# Altium PCB cat.PcbDoc (part 2 of 3) (continued)
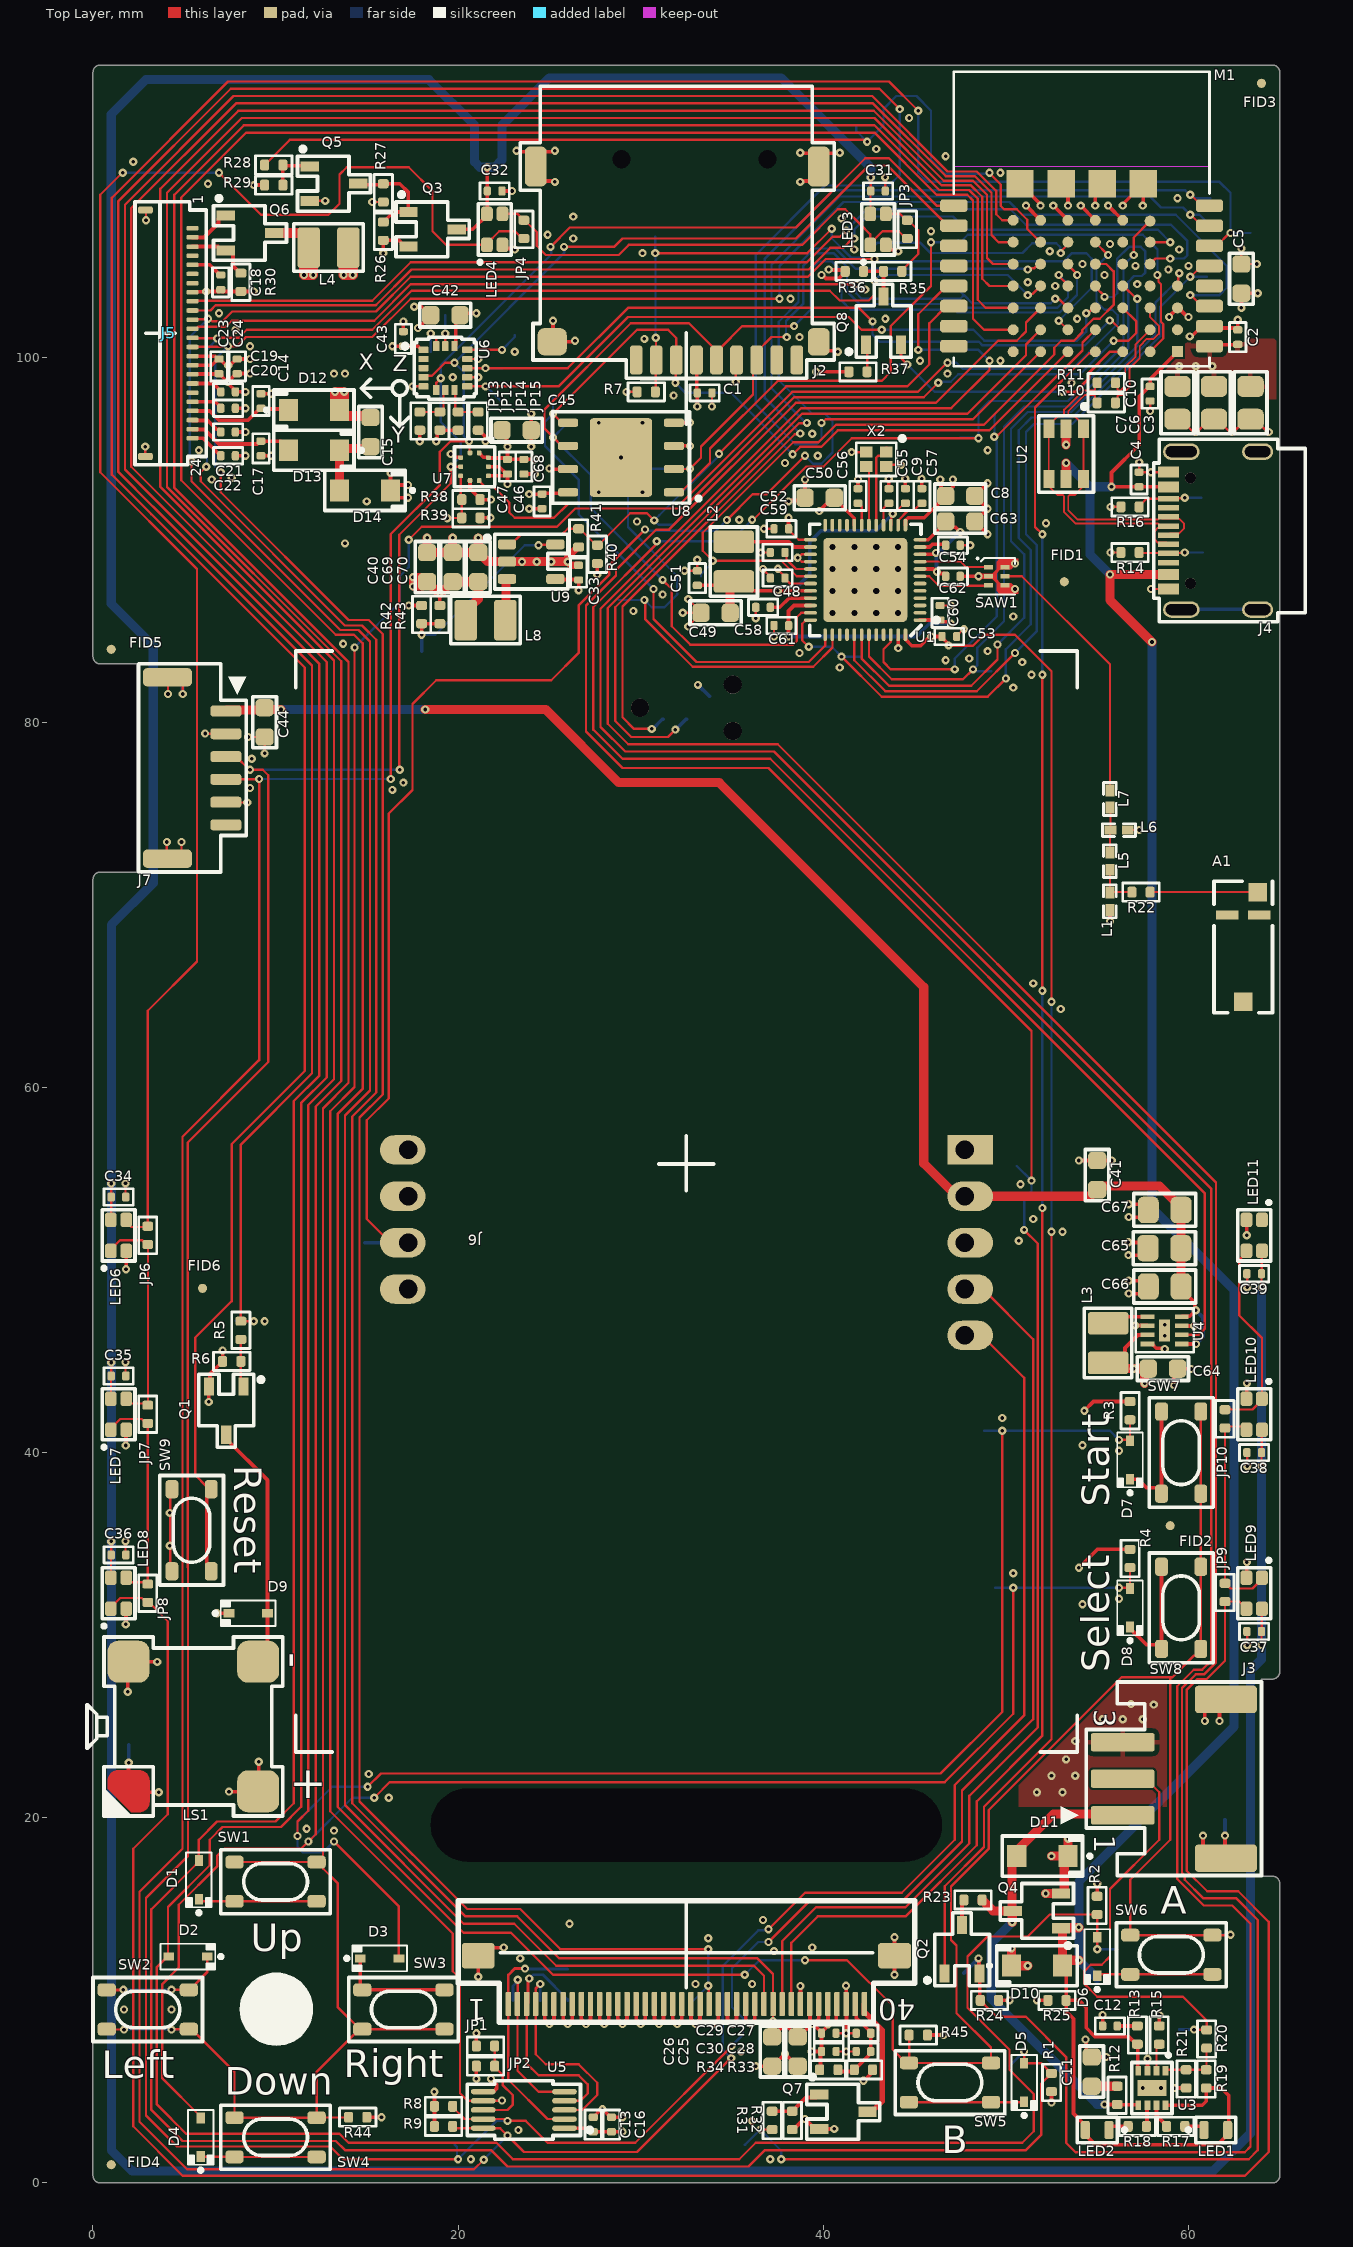
[diagram p0: Top Layer view]
## Nets (pads, with @x,y where several pads share a name; then routed paths per layer and width w, separated by ;. In a path a pad name is that pad's centre, name@x,y a point inside that pad or via, vN(x,y) a via of type N, cw(c..) or ccw(c..) an arc to the next point about the centre after c; other vN are vias at no path point) (continued)
BACKLIGHT_CATHODE: J6.40 Q7.3 | length 6.7
  Top Layer w0.3: J6.40@42.25,9.8 42.25,9.3 42.3,9.3 43.227,8.373 43.227,4.463 42.789,4.025 42.775,4.025 42.564,3.814 Q7.3@42.564,3.8
BARO_INT/RDY: M1.C1 TP31.1 U7.7 | length 46.6
  Top Layer w0.127: U7.7@21.125,93.265 U7.7@21.15,93.24 21.15,93.227 21.478,92.9 21.932,92.9 22.8,92.032 22.8,91.5 23.1,91.2 25.25,91.2 26.013,91.963 32.163,91.963 38.3,98.1 45.176,98.1 46.776,99.7 v1(46.8,99.7) ; M1.C1@54.9,106.3 v1(55.6,105.6)
  Bottom Layer w0.127: v1(46.8,99.7) 47.3,99.7 47.646,99.354 52.2,99.354 53.654,99.354 56.129,101.829 56.129,102.296 55.826,102.6 55.4,102.6 54.959,103.041 54.959,104.959 v1(55.6,105.6)
BATT_NTC: J3.2 R20.1 TP4.1 | length 24.5
  Top Layer w0.127: J3.2@56.3,22.2 57.595,22.2 58.4,21.395 58.4,18.8 55.7,16.1 55.7,12.4 55.25,11.95 54.65,11.95 54.3,11.6 54.3,10.9 55,10.2 59.7,10.2 61,8.9 R20.1@61,8.386
  Top Layer w0.152: v1(60.3,8.4) 60.307,8.393 60.993,8.393 R20.1@61,8.386
  Bottom Layer w0.152: TP4.1@59.5,8.4 v1(60.3,8.4)
BATT_SENSE: M1.5 Q2.2 R24.2 TP34.1 | length 167
  Top Layer w0.127: v1(45.2,100.4) 45.2,102.349 46.75,103.899 M1.5@47.15,103.899 ; R24.2@48.6,10 48.6,9.983 48.82,9.764 48.836,9.764 49.5,9.1 51.1,9.1 53.3,6.9 53.3,2.2 53.818,1.682 63.082,1.682 63.4,2 63.4,14.2 62.4,15.2 60.841,15.2 59.392,16.649 59.392,27.21 60.291,28.109 60.75,28.109 61.255,28.615 61.255,54.445 37.3,78.4 29.152,78.4 27.8,79.752 27.8,86.222 38.778,97.2 47,97.2 49.1,99.3 v1(49.1,99.8)
  Top Layer w0.203: v1(48.5,12.3) 48.525,12.275 48.525,11.5 Q2.2@48.55,11.475 48.575,11.45 48.575,10.025 R24.2@48.6,10
  Bottom Layer w0.127: v1(45.2,100.4) 48.5,100.4 v1(49.1,99.8)
  Bottom Layer w0.203: TP34.1@47.7,11.5 v1(48.5,12.3)
BUCK_ENABLE: M1.6 R40.1 R41.2 TP35.1 U9.1 | length 34.1
  Top Layer w0.127: U9.1@22.675,89.75 22.9,89.75 23.442,90.292 25.692,90.292 26,90.6 R41.2@26.6,90.6 26.662,90.6 27.563,89.7 27.675,89.7 29.43,91.455 30.34,91.455 v1(30.736,91.059) ; v1(34.288,94.712) 37.976,98.4 44.6,98.4 45.8,99.6 45.8,101.849 46.75,102.799 M1.6@47.15,102.799
  Bottom Layer w0.127: v1(30.736,91.059) 30.736,91.052 30.971,90.816 31.816,90.816 TP35.1@32.3,91.3 ; v1@30.779,91.103 31.02,91.344 34.226,94.55 34.226,94.65 v1(34.288,94.712)
CO2_nRDY: M1.A2 M2.7 TP18.1 | length 92
  Top Layer w0.127: M2.7@17.26,51.5 16.3,51.5 15,52.8 15,58.2 16.2,59.4 16.2,75 17.5,76.3 17.5,81 18.8,82.3 25.1,82.3 26.6,83.8 26.6,86.4 28.271,88.071 28.271,88.594 v1(30.238,90.562) ; v1(34.719,91.081) 36.138,92.5 36.9,92.5 v1(39,94.6) ; v1(51.2,104.8) 51.262,104.862 51.534,104.862 51.772,105.1 M1.A2@51.9,105.1
  Bottom Layer w0.127: v1(30.238,90.562) 30.299,90.501 34.139,90.501 34.632,90.994 34.719,90.994 v1(34.719,91.081) ; v1(39,94.6) 39.441,94.159 39.883,94.159 40.5,94.776 40.5,96.5 40.1,96.9 39.4,96.9 37.559,98.741 37.559,101.936 38.641,103.017 38.641,105.093 39.502,105.954 40.663,105.954 41.771,104.846 51.154,104.846 v1(51.2,104.8)
  Bottom Layer w0.203: TP18.1@14.9,51.5 M2.7@17.26,51.5
COEX_GNT: M1.C3 TP29.1 U1.43 | length 42.5
  Top Layer w0.127: U1.43@42.5,84.8 42.5,83.6 43.746,82.354 47.654,82.354 v1(48.2,82.9) ; M1.C3@54.9,103.9 54.9,103.85 55.4,103.35 v1(55.4,103.3)
  Bottom Layer w0.127: v1(48.2,82.9) 48.262,82.9 48.287,82.9 48.387,82.8 TP29.1@49.2,82.8 ; v1@48.244,82.944 48.441,83.141 48.441,84.082 49.9,85.541 49.9,96.176 51.024,97.3 53.522,97.3 56.7,100.478 56.7,104.124 57.017,104.441 57.441,104.441 57.641,104.641 57.641,105.783 57.383,106.041 56.741,106.041 56.1,105.4 56.1,103.5 55.9,103.3 v1(55.4,103.3)
COEX_REQ: M1.D3 TP37.1 U1.42 | length 36.1
  Top Layer w0.127: U1.42@42.1,84.8 42.1,83.5 43.6,82 48.1,82 49.538,83.438 v1(49.538,84.262) ; M1.D3@56.4,103.9 56.45,103.9 57.15,103.2 v1(57.2,103.2)
  Bottom Layer w0.127: v1(49.538,84.262) 51,85.724 51,89.2 50.281,89.919 50.281,96.081 51.2,97 53.582,97 57.2,100.618 v1(57.2,103.2) v1@57.262,103.262
COEX_STATUS: M1.13 TP33.1 U1.41 | length 40.3
  Top Layer w0.127: U1.41@41.7,84.8 41.7,83.4 43.4,81.7 48.4,81.7 v1(50.5,83.8) ; v1(60.1,104.4) 60.125,104.4 60.725,104.999 M1.13@61.15,104.999
  Bottom Layer w0.127: v1(50.5,83.8) 51.7,85 51.7,89.7 51.1,90.3 51.1,95.9 51.538,96.338 53.638,96.338 58.454,101.154 58.454,102.754 v1(60.1,104.4) TP33.1@61,104.4
DISPLAY_DI: J5.14 J6.23 M1.11 TP54.1 | length 178.8
  Top Layer w0.127: J5.14@5.45,100.557 5.471,100.579 7.379,100.579 v1(7.4,100.6) 7.883,100.6 8.383,101.1 15.3,101.1 17.4,103.2 v1(37.6,103.2) ; v1(7,93.7) 7,92.6 14,85.6 15.1,85.6 15.869,84.831 15.869,59.623 14.6,58.354 14.6,20.9 20.5,15 23.4,15 25.6,12.8 v1(33.7,12.8) ; v1(33.7,10.8) 33.725,10.775 33.725,9.825 J6.23@33.75,9.8 ; v1(60.1,103.4) 60.125,103.4 60.725,102.799 M1.11@61.15,102.799
  Bottom Layer w0.127: v1(7,93.7) 6.7,94 6.7,99.9 v1(7.4,100.6) ; TP54.1@32.8,9.9 v1(33.7,10.8) v1(33.7,12.8) ; v1(37.6,103.2) 37.6,105 41.1,108.5 50.2,108.5 50.9,107.8 59.3,107.8 62.1,105 62.1,103.8 61.7,103.4 v1(60.1,103.4)
DISPLAY_RS/CD: J5.11 J6.29 M1.B5 TP56.1 | length 172.5
  Top Layer w0.127: v1(5.4,94.3) 5.4,93.2 13.546,85.054 14.542,85.054 15.169,84.427 15.169,59.841 13.8,58.472 13.8,20.7 20.3,14.2 23.069,14.2 25.369,11.9 36.2,11.9 36.75,11.35 J6.29@36.75,9.8 ; J5.11@5.45,102.057 5.471,102.079 6.279,102.079 v1(6.3,102.1) ; v1(6.3,102.1) 6.388,102.099 6.528,101.959 7.083,101.959 7.624,102.5 15.5,102.5 17.4,104.4 39.159,104.4 40.136,105.377 v1(42.803,105.377) ; v1(52.9,102) M1.B5@53.4,101.5
  Bottom Layer w0.127: TP56.1@5.4,93.2 5.4,94.387 5.3,94.487 5.3,101.1 v1(6.3,102.1) ; v1(42.803,105.377) 42.89,105.377 43.008,105.259 53.183,105.259 53.624,105.7 54.4,105.7 54.705,105.395 54.705,103.805 v1(52.9,102)
DISPLAY_SCK: J5.13 J6.30 M1.A3 TP53.1 | length 165.7
  Top Layer w0.127: J5.13@5.45,101.057 5.469,101.038 6.781,101.038 v1(6.8,101.02) ; v1(6.2,94) 5.9,93.7 5.9,93.2 13.792,85.308 14.728,85.308 15.515,84.521 15.515,59.728 14.2,58.413 14.2,20.8 20.4,14.6 23.234,14.6 25.534,12.3 36.4,12.3 37.25,11.45 J6.30@37.25,9.8 37.246,9.796 37.246,8.856 v1(37.243,8.852) ; v1@6.81,101.01 6.859,101.059 7.983,101.059 8.424,101.5 15.3,101.5 17.441,103.641 40.359,103.641 40.9,103.1 42.488,103.1 42.796,103.408 v1(42.796,104.196) ; v1(51.2,103.4) 51.262,103.462 51.462,103.462 M1.A3@51.9,103.9
  Bottom Layer w0.127: v1(6.2,94) 6.243,94.043 6.243,100.427 6.8,100.984 v1(6.8,101.02) ; TP53.1@37.2,7.8 37.221,7.821 37.221,8.831 v1(37.243,8.852) ; v1(42.796,104.196) 43.1,104.5 50.1,104.5 v1(51.2,103.4)
EPD_B\S\Y\: J5.9 M1.E2 TP44.1 | length 60.3
  Top Layer w0.127: J5.9@5.45,103.057 5.488,103.095 15.295,103.095 17.4,105.2 39.1,105.2 40.5,106.6 40.9,106.6 v1(41.242,106.942) ; M1.E2@57.9,105.1 58.2,105.4 58.3,105.4 v1(59,105.4)
  Bottom Layer w0.127: v1(41.242,106.942) 42.4,108.1 50.241,108.1 50.676,107.665 51.087,107.254 59.046,107.254 59.941,106.359 59.941,105.578 59.763,105.4 v1(59,105.4)
EPD_C\S\: J5.12 M1.B4 TP59.1 | length 50.4
  Top Layer w0.127: J5.12@5.45,101.557 5.65,101.557 5.752,101.659 6.117,101.659 7.259,101.659 7.6,102 15.4,102 17.4,104 40.376,104 40.379,103.997 41.797,103.997 v1(41.8,104) ; v1(52.7,103.2) 52.762,103.138 52.962,103.138 M1.B4@53.4,102.7
  Bottom Layer w0.127: v1(41.8,104) 41.8,103.5 42.1,103.2 47.5,103.2 TP59.1@47.7,103.4 ; TP59.1@47.5,103.6 47.641,103.459 TP59.1@47.7,103.4 ; v1(52.7,103.2) 52.459,102.959 48.141,102.959 TP59.1@47.7,103.4
EPD_R\S\T\: J5.10 M1.E1 TP43.1 | length 57.7
  Top Layer w0.127: J5.10@5.45,102.557 6.434,102.557 6.717,102.841 15.482,102.841 15.511,102.87 17.441,104.8 39.2,104.8 40.386,105.986 41.099,105.986 41.605,106.492 v1(41.692,106.492) ; M1.E1@57.9,106.3 v1(59,106.3)
  Bottom Layer w0.127: v1(41.692,106.492) 41.692,106.554 41.692,106.992 42.4,107.7 43,107.7 47.1,107.7 47.825,106.975 58.326,106.975 v1(59,106.3)
FLASH_C\S\: M1.E6 TP55.1 U8.1 | length 42.3
  Top Layer w0.127: U8.1@31.616,92.6 U8.1@31.82,92.6 32.172,92.6 32.333,92.762 32.362,92.762 33.796,94.196 33.796,94.996 37.5,98.7 43.2,98.7 43.7,99.2 43.7,100.059 43.7,101.7 45.9,103.9 v1(45.9,106.3) ; M1.E6@57.9,100.3 58.622,101.022 58.622,101.821 58.5,101.943 58.5,103.994 58.362,104.132 58.362,104.438 v1(58.3,104.5)
  Bottom Layer w0.127: v1(45.9,106.3) TP55.1@47.4,106.3 ; TP55.1@47.4,106.4 TP55.1@47.4,106.3 ; v1(58.3,104.5) 58.3,105.9 57.5,106.7 47.911,106.7 47.511,106.3 TP55.1@47.4,106.3
GND: C1.1 C2.2 C3.1 C4.2 C5.1 C6.1 C7.1 C8.1 C9.2 C10.1 C11.1 C12.1 C13.1 C14.1 C16.1 C17.1 C18.1 C19.1 C20.1 C21.1 C22.1 C23.1 C24.1 C25.1 C26.1 C27.1 C28.1 C29.1 C30.1 C31.1 C32.1 C33.1 C34.1 C35.1 C36.1 C37.1 C38.1 C39.1 C40.1 C41.1 C42.1 C43.1 C44.1 C45.1 C46.1 C47.1 C48.1 C49.1 C50.1 C51.1 C52.1 C53.1 C54.1 C55.1 C56.1 C57.2 C58.1 C59.1 C60.1 C61.2 C62.2 C63.1 C64.1 C65.1 C66.1 C67.1 C68.1 C69.1 C70.1 D14.K J1.5 J2.6 J2.MP J3.3 J3.MP J4.A1/B12 J4.B1/A12 J4.MP@59.61,86.175 J4.MP@59.61,94.825 J4.MP@63.79,86.175 J4.MP@63.79,94.825 J5.8 J5.17 J5.MP J6.5 J6.6 J6.7 J6.8 J6.9 J6.10 J6.11 J6.12 J6.13 J6.14 J6.15 J6.16 J6.17 J6.18 J6.19 J6.20 J6.21 J6.22 J6.24 J6.25 J6.26 J6.27 J6.28 J6.33 J6.38 J6.MP J7.2 J7.5 J7.MP JP2.2 JP13.2 JP15.2 L1.1 L6.1 LED3.3 LED4.3 LED6.3 LED7.3 LED8.3 LED9.3 LED10.3 LED11.3 LS1.MP M1.10 M1.A0 M1.B0 M1.C0 M1.D0 M1.H0 M1.H1 M1.H2 M1.H3 M2.1 M2.6 Q1.2 Q5.2 Q7.2 R6.2 R7.1 R14.1 R15.1 R16.1 R21.1 R24.1 R25.1 R27.2 R29.2 R30.1 R32.2 R39.2 R41.1 R42.1 R44.1 R45.1 SAW1.2 SAW1.5 SAW1.7 SW9.1 SW9.2 TP9.1 TP19.1 TP27.1 TP32.1 U1.27 U1.28 U1.47 U1.EP U2.2 U3.3 U3.EP U4.2 U4.4 U4.7 U4.EP U5.6 U6.5 U6.10 U6.12 U7.3 U7.8 U7.9 U8.4 U8.EP U9.2 X2.2 X2.4 | length 216.4
  Top Layer w0.119: L6.1@56.675,74.1 v1(57.3,74.1)
  Top Layer w0.127: C36.1@1.785,34.4 v1(1.785,35.148) ; C35.1@1.785,44.2 v1(1.785,44.948) ; C34.1@1.785,54 v1(1.785,54.748) ; v1(2.863,95.102) 2.863,94.57 J5.MP@2.875,94.557 J5.MP@2.888,94.545 ; J5.MP@2.875,108.057 2.9,108.032 v1(2.9,107.5) ; J7.MP@3.248,72.913 J7.MP@3.273,72.888 ; J7.MP@3.288,82.113 J7.MP@3.313,82.088 ; v1(4.048,73.445) 4.048,72.913 J7.MP@4.073,72.888 ; J7.MP@4.088,82.113 4.113,82.088 v1(4.113,81.555) ; SW9.1@4.225,33.5 SW9.2@4.225,38 ; v1(4.848,73.445) 4.848,72.913 J7.MP@4.873,72.888 ; J7.MP@4.888,82.113 4.913,82.088 v1(4.913,81.555) ; v1(6.141,79.388) 6.149,79.38 6.68,79.38 J7.2@6.713,79.413 ; J7.5@7.888,75.588 7.913,75.613 v1(8.445,75.613) ; v1(8.5,79.2) 9.1,79.2 C44.1@9.388,78.913 ; v1(9.4,78.3) 9.4,78.9 C44.1@9.688,79.188 ; Q5.2@12.169,108.534 12.194,108.559 v1(12.727,108.559) ; v1(15.3,108.5) R27.2@15.875,108.5 ; v1(17.5,98.4) U6.5@18.1,98.4 ; U6.10@20.5,98.9 v1(21.1,98.9) ; U6.12@20.5,99.9 v1(21.1,99.9) ; v1(29.225,98.1) R7.1@29.775,98.1 ; v1(32.3,86) C49.1@33.3,86 ; v1@32.401,88.301 C51.1@33.1,88.301 ; v1(32.6,85.25) 32.6,85.263 33.3,85.963 C49.1@33.3,86 ; v1(32.6,86.75) 32.6,86.738 33.3,86.038 C49.1@33.3,86 ; C51.1@33.1,88.301 v1(33.1,88.9) ; v1(33.9,97.3) C1.1@33.9,98.043 ; v1(35.2,98.65) J2.6@35.2,99.2 ; v1(36.3,85.7) C58.1@36.3,86.3 ; v1(36.571,89.295) 36.574,89.297 37.097,89.297 C59.1@37.1,89.3 ; v1(36.7,88.4) 36.7,88.37 37.1,87.97 C48.1@37.1,87.9 ; v1(36.75,90.6) C52.1@37.3,90.6 ; v1(37.3,84.7) C61.2@37.3,85.3 ; v1(38.594,89.012) v1@38.612,89.012 ; U1.28@39.3,88.8 38.825,88.8 v1@38.612,89.012 ; U1.27@39.3,89.2 39.286,89.214 38.83,89.214 38.628,89.012 v1@38.612,89.012 ; C30.1@40.7,7.2 v1(41.25,7.2) C28.1@41.8,7.2 ; C29.1@40.7,8.2 v1(41.25,8.2) C27.1@41.8,8.2 ; v1(41.55,94.8) X2.2@42.1,94.8 ; C31.1@43.385,109.1 v1(43.385,109.848) ; X2.4@43.7,94.1 v1(44.25,94.1) ; C60.1@46.4,86.4 v1(47,86.4) ; C53.1@47.3,84.7 47.3,84.73 47.67,85.1 v1(47.7,85.1) ; C54.1@47.5,89.7 v1(48.05,89.7) ; v1(55.725,89.3) R14.1@56.275,89.3 ; v1(55.725,91.8) R16.1@56.275,91.8 ; v1(57.3,94.25) C4.2@57.3,93.7 v1(57.95,93.7) J4.B1/A12@58.5,93.7 ; v1(57.9,97.05) C10.1@57.9,97.6 ; v1(57.95,87.3) J4.A1/B12@58.5,87.3 ; C7.1@59.4,96.6 59.57,96.6 60.209,95.962 60.338,95.962 v1(60.4,95.9) 60.475,95.9 61.175,96.6 C6.1@61.4,96.6 61.57,96.6 62.209,95.962 62.338,95.962 v1(62.4,95.9) 62.475,95.9 63.175,96.6 C3.1@63.4,96.6 63.625,96.6 64.325,95.9 v1(64.4,95.9) ; v1(60.075,101.14) 60.136,101.201 v1@60.24,101.201 ; M1.10@60.738,101.699 M1.10@61.15,101.699 ; C5.1@62.9,105.4 v1(62.9,105.95) ; C5.1@63.2,105.1 v1(63.75,105.1) ; v1(63.215,29.452) C37.1@63.215,30.2 ; v1(63.215,39.252) C38.1@63.215,40 ; v1(63.215,49.052) C39.1@63.215,49.8
  Top Layer w0.203: v1(1.8,30.595) 1.813,30.607 1.813,31.438 LED8.3@1.825,31.45 ; v1(1.8,40.395) 1.813,40.407 1.813,41.238 LED7.3@1.825,41.25 ; v1(1.81,50.045) 1.817,50.052 1.817,51.042 LED6.3@1.825,51.05 ; v1(1.9,26.9) 1.9,28.5 LS1.MP@1.95,28.55 3.515,28.55 v1(3.524,28.541) ; v1(1.959,23.024) 1.95,23.015 LS1.MP@1.95,21.45 2,21.4 v1(3.6,21.4) ; J5.17@5.45,99.057 5.471,99.079 6.879,99.079 C23.1@6.9,99.1 6.95,99.1 7.048,99.002 7.048,98.952 7.367,98.633 v1(7.385,98.633) ; J5.8@5.45,103.557 5.471,103.579 6.179,103.579 v1(6.2,103.6) 6.733,103.6 6.734,103.602 6.902,103.602 C18.1@7,103.7 7.098,103.602 7.266,103.602 7.267,103.6 R30.1@8.1,103.6 v1(8.8,103.6) ; v1(6.336,42.779) Q1.2@6.336,43.379 ; Q1.2@6.35,43.625 6.411,43.686 6.411,44.311 6.916,44.816 6.953,44.816 7.1,44.963 R6.2@7.1,45 v1(7.1,45.6) ; C22.1@7.8,94.6 v1(8.35,94.6) ; C21.1@7.8,95.9 v1(8.35,95.9) ; C20.1@7.8,97.2 v1(8.35,97.2) ; v1(8.35,98.1) C19.1@7.8,98.1 7.8,98.15 7.433,98.517 7.433,98.586 v1(7.385,98.633) ; v1(8.6,99.1) C24.1@7.9,99.1 7.85,99.1 7.385,98.635 v1(7.385,98.633) ; v1(8.8,109.425) R29.2@9.4,109.425 ; C17.1@9.2,94.6 v1(9.75,94.6) ; C14.1@9.2,98 v1(9.75,98) ; R44.1@15,3.6 v1(15.8,3.6) ; D14.K@16.3,93.1 v1(16.3,93.65) ; D14.K@16.7,92.3 v1(17.25,92.3) ; D14.K@16.7,93 v1(17.25,93) ; C43.1@17,101.4 v1(17,101.95) ; v1(17.3,86.4) R42.1@18,86.4 ; v1(17.6,102.759) 18.008,102.759 18.467,102.3 C42.1@18.5,102.3 18.5,102.288 17.813,101.6 v1(17.8,101.6) ; v1(17.9,95.4) JP13.2@17.9,95.975 ; v1(19.6,94.7) 19.667,94.7 19.843,94.523 20.117,94.523 U7.3@20.14,94.5 ; v1(21,5.7) JP2.2@21,6.4 ; v1(21.1,11.3) J6.MP@21.1,12.45 21.537,12.887 22.487,12.887 v1(22.5,12.9) ; JP15.2@21.162,95.975 21.453,95.685 21.453,95.447 v1(21.5,95.4) ; R39.2@21.225,91.2 v1(21.775,91.2) ; U5.6@21.375,5 21.926,5 21.975,5.048 21.989,5.048 22.108,5.167 22.108,5.392 v1(21.8,5.7) ; U7.8@21.66,93.5 22.55,93.5 C47.1@22.65,93.6 ; U7.9@21.66,94 22.25,94 C47.1@22.65,93.6 ; C32.1@22.4,109.1 v1(22.95,109.1) ; LED4.3@22.425,106.15 22.628,105.947 23.053,105.947 v1(23.1,105.9) ; v1(22.7,93.05) C47.1@22.7,93.6 C47.1@22.65,93.6 ; v1(23.2,111.3) 23.247,111.253 23.767,111.253 J2.MP@24.25,110.769 ; C46.1@23.6,93.6 v1(24.2,93.6) ; v1(23.9,91.7) C68.1@24.6,91.7 ; v1(24,95.1) v1(24,96.9) ; J6.5@24.75,9.8 24.75,8.95 v1(25,8.7) 25.25,8.95 J6.6@25.25,9.8 ; v1(25.2,102) 25.2,100.893 J2.MP@25.15,100.843 26.343,100.843 v1(26.4,100.9) ; v1(25.3,109.6) 25.253,109.647 24.733,109.647 24.25,110.131 J2.MP@24.25,110.443 J2.MP@24.25,110.769 ; v1(25.3,111.3) 25.253,111.253 24.733,111.253 J2.MP@24.25,110.769 ; J6.7@25.75,9.8 25.75,8.95 v1(26,8.7) 26.25,8.95 J6.8@26.25,9.8 ; J6.9@26.75,9.8 26.75,8.95 v1(27,8.7) 27.25,8.95 J6.10@27.25,9.8 ; C13.1@27.4,3.6 27.832,4.032 v1(27.902,4.032) 27.918,4.032 28.35,3.6 C16.1@28.4,3.6 v1(29,3.6) ; J6.11@27.75,9.8 27.75,8.95 v1(28,8.7) 28.25,8.95 J6.12@28.25,9.8 ; J6.13@28.75,9.8 28.75,8.95 v1(29,8.7) 29.25,8.95 J6.14@29.25,9.8 ; J6.15@29.75,9.8 29.75,8.95 v1(30,8.7) 30.25,8.95 J6.16@30.25,9.8 ; J6.17@30.75,9.8 30.75,8.95 v1(31,8.7) 31.25,8.95 J6.18@31.25,9.8 ; J6.19@31.75,9.8 31.75,8.95 v1(32,8.7) 32.25,8.95 J6.20@32.25,9.8 ; U8.4@31.82,96.41 31.822,96.412 32.698,96.412 v1(32.7,96.414) ; J6.21@32.75,9.8 32.75,8.95 v1(33,8.7) 33.25,8.95 J6.22@33.25,9.8 ; v1(33.959,8.692) 33.985,8.692 34.25,8.957 J6.24@34.25,9.8 ; J6.25@34.75,9.8 34.75,8.95 v1(35,8.7) 35.25,8.95 J6.26@35.25,9.8 ; J6.27@35.75,9.8 35.75,8.933 35.983,8.7 v1(36.041,8.7) ; v1@36,8.7 36.25,8.95 J6.28@36.25,9.8 ; v1(36.3,6.4) C26.1@37.2,6.4 37.227,6.4 37.899,7.072 v1(37.902,7.072) 38.574,6.4 C25.1@38.6,6.4 ; v1(38.1,92.1) 38.147,92.147 38.637,92.147 38.864,92.374 38.864,92.398 39,92.534 v1(39,93.3) ; R32.2@38.363,2.925 38.938,3.5 v1(39,3.5) Q7.2@39.55,2.95 ; v1(38.741,109.6) 38.788,109.647 39.267,109.647 39.75,110.131 J2.MP@39.75,110.443 J2.MP@39.75,110.687 ; v1(38.741,111.2) 38.77,111.171 39.267,111.171 J2.MP@39.75,110.687 ; v1(38.747,10.787) 38.749,10.785 38.749,9.801 J6.33@38.75,9.8 ; J2.MP@39.493,101.1 J2.MP@39.75,100.843 39.75,100.831 40.233,100.347 40.753,100.347 v1(40.8,100.3) ; Q7.2@39.775,2.95 39.78,2.955 40.589,2.955 v1(40.595,2.961) ; C29.1@40.675,8.225 C29.1@40.7,8.2 ; v1(40.9,111.2) 40.871,111.171 40.233,111.171 J2.MP@39.75,110.687 ; v1(41.244,10.8) 41.25,10.794 J6.38@41.25,9.8 41.275,9.775 v1@41.275,8.225 ; C56.1@41.9,92.8 v1(41.9,93.3) ; LED3.3@43.425,106.15 43.597,105.978 43.597,105.936 43.644,105.889 43.939,105.889 44.033,105.795 v1(44.1,105.795) ; v1(43.585,93.337) 43.593,93.33 43.593,92.807 C55.1@43.6,92.8 ; v1(43.9,11.4) J6.MP@43.9,12.45 v1(43.9,13.459) ; v1(44.1,84.063) U1.47@44.1,84.8 ; v1(44.485,93.337) 44.493,93.33 44.493,92.807 C9.2@44.5,92.8 ; v1(45.385,93.337) 45.393,93.33 45.393,92.807 C57.2@45.4,92.8 ; R45.1@45.7,8.1 v1(46.6,8.1) ; C62.2@47.5,88 v1@48.33,88 ; v1(49,90.3) 48.988,90.3 48.3,90.988 C63.1@48.3,91 v1(49,91.7) 48.988,91.7 48.3,92.388 C8.1@48.3,92.4 v1(49,93.1) ; R24.1@49.6,10 v1(50.2,10) ; M1.H0@50.2,108.925 M1.H0@50.775,109.5 51.9,108.375 v1(51.9,108.3) ; v1(51.1,108.3) M1.A0@51.9,107.5 ; v1(51.7,10) R25.1@52.3,10 ; v1(52.6,108.3) M1.B0@53.4,107.5 ; M1.H1@53.025,109.5 53.4,109.125 v1(53.4,108.3) ; v1(54.1,108.3) M1.C0@54.9,107.5 ; v1@54.2,56 C41.1@55,56 v1(55.8,56) ; v1(54.361,7.861) 54.409,7.814 54.409,6.991 C11.1@54.5,6.9 ; C11.1@54.9,6.9 v1(55.5,6.9) ; v1(54.9,108.3) 54.9,109.125 M1.H2@55.275,109.5 ; C12.1@55.3,8.6 v1(55.3,9.2) ; v1(55.6,108.3) M1.D0@56.4,107.5 ; v1(55.7,69.1) L1.1@55.7,69.725 ; J3.3@56.4,24.137 J3.3@57.4,24.512 ; v1(56.4,108.3) 56.4,108.375 M1.H3@57.525,109.5 57.525,108.325 v1(57.5,108.3) ; v1(56.711,50.818) 56.72,50.809 57.374,50.809 C65.1@57.384,50.8 ; v1(56.711,51.518) 56.72,51.509 57.374,51.509 C65.1@57.384,51.5 ; v1(56.727,48.718) 56.737,48.709 57.391,48.709 C66.1@57.4,48.7 ; v1(56.727,49.418) 56.737,49.409 57.391,49.409 C66.1@57.4,49.4 ; v1(56.727,52.909) 56.737,52.9 57.391,52.9 C67.1@57.4,52.891 ; v1(56.727,53.609) 56.737,53.6 57.391,53.6 C67.1@57.4,53.591 ; v1(57.087,46.968) 57.097,46.959 57.751,46.959 U4.2@57.76,46.95 ; U3.3@57.75,6.145 57.754,6.149 57.754,6.794 v1(57.758,6.798) ; U4.4@57.76,45.95 58.01,45.95 58.238,45.722 58.653,45.722 v1(58.7,45.675) ; R15.1@58.4,8.6 v1(58.4,9.2) ; v1(59.2,43.7) C64.1@59.2,44.4 ; v1(59.233,5.194) 59.236,5.197 59.853,5.197 R21.1@59.856,5.194 ; C64.1@59.475,44.6 59.484,44.591 v1@60.138,44.591 ; U4.7@59.64,46.95 59.649,46.941 60.303,46.941 v1(60.313,46.932) ; v1@60.24,101.201 M1.10@60.738,101.699 ; J3.MP@60.7,26 60.745,26 60.9,25.845 v1(60.9,25.3) ; J3.MP@60.8,18.4 v1(60.8,19.025) ; M1.10@61.15,101.699 61.251,101.598 C2.2@62.602,101.598 ; J3.MP@61.4,26.5 61.7,26.2 v1(61.7,25.3) ; J3.MP@62,18.4 v1(62,19.025) ; C2.2@62.7,101.598 v1(62.7,102.05) ; LED9.3@63.175,33.15 63.187,33.162 63.187,33.993 v1(63.2,34.005) ; LED10.3@63.175,42.95 63.187,42.962 63.187,43.793 v1(63.2,43.805) ; LED11.3@63.175,52.75 63.187,52.738 v1(63.187,51.913) v1@63.2,51.9
  Top Layer w0.4: v1@26,88.779 26.179,88.6 C33.1@26.6,88.6 ; v1(26,88.8) 26.01,88.81 26.01,89.06 26.55,89.6 R41.1@26.6,89.6
  Top Layer w0.5: v1(18.3,90.105) C40.1@18.3,89.3 C69.1@19.7,89.3 ; v1(19.7,90.105) C69.1@19.7,89.3 ; v1(21.1,90.105) C70.1@21.1,89.3 ; v1(26,88.8) v1(25.1,88.8) v1(24.3,88.8) v1(23.5,88.8) U9.2@22.675,88.8 21.625,88.8 21.125,89.3 C70.1@21.1,89.3 ; v1(53.3,95.2) U2.2@53.3,96.075 ; C69.1@19.7,89.3 C70.1@21.1,89.3
  Bottom Layer w0.203: v1@1.959,23.025 TP9.1@1.958,24.001 ; v1@4.106,81.549 v1(4.113,81.555) ; v1@4.9,81.557 TP32.1@4.9,82.6 ; v1@4.906,81.549 v1(4.913,81.555) ; v1(33.131,82.051) 33.142,82.051 33.759,81.435 J1.5@33.77,81.435 ; J4.MP@59.61,86.175 59.623,86.187 61.787,86.187 TP27.1@61.8,86.2 61.813,86.187 63.778,86.187 J4.MP@63.79,86.175 ; v1(62,19.025) TP19.1@62,19.9
  Bottom Layer w0.5: v1@63.2,49.068 v1(63.215,49.052)
  other v1: 20.7,1.3 37.1,1.3 23.3,2.9 36.1,3.4 35.5,7.2 1.7,9.5 4.3,9.5 33,10.9 36.1,10.9 23.4,12.3 37.3,12.7 39.4,12.9 33.7,13.4 26.1,14.2 36.7,14.4 13.2,19.3 11.7,19.4 16.2,21.1 51.7,21.4 53.1,21.4 52.5,22.3 53.8,22.3 15.1,22.4 53.3,23.2 53.8,24.2 55.3,25.4 56.4,25.4 57.5,25.4 58.1,26.2 56.85,26.237 54.2,31.7 56.2,32 50.4,33.4 4.2,34.9 4.2,36.7 56.2,40.1 54.2,40.4 49.8,41.9 60.148,44.582 58.7,46.4 58.7,47 9.4,47.2 50.7,51.6 53.1,52.1 51.5,52.8 50.8,54.7 54,56 53,64.3 51.5,65.7 16.4,76.3 8.6,76.4 17,76.7 8.7,78 50.4,81.9 51.4,82.6 40.9,83 50.9,83.3 46.7,83.4 48,83.5 38.7,83.8 49,83.9 13.7,84.3 50.4,85.8 29.6,86.1 31.2,87 50.5,87.3 48.5,88 32.4,88.3 50.5,88.7 13.8,89.8 52.2,90.9 29.8,91 35.4,91.1 15,92.1 6.5,93.3 7.6,93.4 37.9,94.2 39.7,94.6 5.8,94.9 49,94.9 39.4,95.8 31.8,97.9 53.6,98.6 19.7,98.9 13.2,99.1 13.8,99.1 46.8,99.1 45.3,99.8 49.7,99.8 23.1,100.3 8.6,100.6 30.2,101 38.7,101.1 7.8,101.5 43.4,102.1 53.9,102.1 6.9,102.4 38.2,103.2 42.3,103.7 52.7,103.9 57.2,104 51.2,104.1 55.4,104.5 58.9,104.8 57.1,105 60,105 54.2,105.1 30.1,105.7 52.4,105.8 41.7,105.9 59.5,105.9 55.7,106.2 26.3,106.5 24.9,106.7 45.9,106.9 41,107.6 26.3,107.7 59.4,108.7 6.3,109.5 49.7,110.1 2.2,110.7 46.7,111 42.9,111.4 44.7,113.1
  other v2: 40.5,86 41.7,86 42.9,86 44.1,86 40.5,87.2 41.7,87.2 42.9,87.2 44.1,87.2 40.5,88.4 41.7,88.4 42.9,88.4 44.1,88.4 40.5,89.6 41.7,89.6 42.9,89.6 44.1,89.6
  other v3: 57.5,5.2 58.5,5.2 27.7,92.6 30.1,92.6 28.92,94.505 27.7,96.4 30.1,96.4
I2C_SCL: J7.4 M1.2 M2.5 R9.2 TP16.1 U5.10 U6.4 U7.2 | length 239.9
  Top Layer w0.127: J7.4@7.28,76.876 7.292,76.888 9.088,76.888 v1(9.1,76.9) 9.1,61.5 4.9,57.3 4.9,18.301 2.55,15.951 2.55,3.35 5.15,0.75 20.873,0.75 v1(21.4,1.277) ; v1(16.31,76.9) 16.31,90.31 19,93 19,94.817 19.583,95.4 v1(20.6,95.4) 20.625,95.375 20.625,94.785 U7.2@20.65,94.76 ; U6.4@18.1,98.9 18.209,99.009 18.237,98.982 18.566,98.982 19.284,99.7 v1(19.8,99.7) ; R9.2@19.7,3.1 19.8,3 22.3,3 v1(22.7,2.6) 23.6,1.7 29.8,1.7 34.938,6.838 v1(34.962,6.838) ; v1(25.8,106.041) 28.541,106.041 29,106.5 38.5,106.5 42.5,110.5 43.517,110.5 46.477,107.539 46.477,107.533 46.81,107.199 M1.2@47.15,107.199 ; v1(37,13.9) 39,15.9 44.3,15.9 47.2,18.8 47.2,21.8 51,25.6 51,44.1 48.68,46.42 M2.5@47.74,46.42
  Bottom Layer w0.127: v1(9.1,76.9) v1(16.31,76.9) ; v1(20.6,95.4) 20.3,95.7 20.3,99.2 v1(19.8,99.7) 25.804,105.704 25.804,106.037 v1(25.8,106.041) ; v1(21.4,1.277) 21.4,1.288 22.7,2.588 v1(22.7,2.6) TP16.1@23.5,1.8 ; v1(34.962,6.838) 34.5,7.3 34.5,11.9 36.444,13.844 36.944,13.844 v1(37,13.9)
I2C_SDA: J7.3 M1.1 M2.4 R8.2 TP17.1 U5.9 U6.6 U7.4 | length 242.1
  Top Layer w0.127: J7.3@7.28,78.124 7.838,78.124 8.562,77.4 v1(8.6,77.4) 9.3,77.4 9.6,77.1 9.6,61.4 5.187,56.987 5.187,33.725 5.2,33.712 5.2,17.9 2.9,15.6 2.9,3.7 4.6,2 13,2 13.7,1.3 v1(20,1.3) ; v1(16.8,77.4) 16.777,77.423 16.777,90.277 19.6,93.1 v1(19.6,94) U7.4@20.14,94 ; U6.6@18.689,97.987 18.689,98.089 U6.6@18.8,98.2 18.8,98.593 v1(19.048,98.841) ; R8.2@19.7,4.2 19.7,4.15 20.35,3.5 22.513,3.5 22.613,3.4 v1(22.7,3.4) 23.7,3.4 24.9,2.2 29.7,2.2 35,7.5 34.99,7.5 34.989,7.499 v1(34.975,7.499) ; v1(25.059,106.041) 26.118,107.1 38.5,107.1 42.3,110.9 43.6,110.9 46.201,108.299 M1.1@47.15,108.299 ; v1(37,13.2) 39.3,15.5 44.4,15.5 47.6,18.7 47.6,21.5 51.492,25.392 51.492,46.208 48.74,48.96 M2.4@47.74,48.96
  Bottom Layer w0.127: v1(8.6,77.4) v1(16.8,77.4) ; v1(19.6,94) 20.141,94.541 20.141,95.359 19.048,96.452 v1(19.048,98.841) 19.048,99.572 25.1,105.624 25.1,106 v1(25.059,106.041) ; TP17.1@19.8,2.1 19.938,1.962 19.938,1.362 v1(20,1.3) 22.1,3.4 v1(22.7,3.4) ; v1(34.975,7.499) 35.6,8.124 35.6,9.025 35,9.625 35,11.763 36.437,13.2 v1(37,13.2)
IMU_INT1: M1.D5 TP20.1 U6.11 | length 40.2
  Top Layer w0.127: U6.11@20.5,99.4 v1(21.5,99.4) 26,99.4 29.3,102.7 41.959,102.7 v1(42.7,101.959) ; v1(55.688,102.012) 55.776,102.012 56.287,101.5 M1.D5@56.4,101.5
  Bottom Layer w0.127: v1(21.5,99.4) TP20.1@22.4,99.4 ; v1(42.7,101.959) 42.7,101.236 43.095,100.841 48.523,100.841 48.718,100.646 54.322,100.646 v1(55.688,102.012)
IMU_INT2: M1.C4 TP21.1 U6.9 | length 39.1
  Top Layer w0.127: U6.9@20.5,98.4 v1(21.5,98.4) 25.5,98.4 29.3,102.2 41.4,102.2 42.1,101.5 v1(43.2,101.5) ; v1(54.4,102.4) 54.487,102.4 54.697,102.61 54.81,102.61 M1.C4@54.9,102.7
  Bottom Layer w0.127: v1(21.5,98.4) 21.55,98.4 22.35,97.6 TP21.1@22.4,97.6 ; v1(43.2,101.5) 48.223,101.5 48.823,100.9 53.9,100.9 54.4,101.4 v1(54.4,102.4)